# Allegro board ADALM-PLUTO Layout.brd (continued)
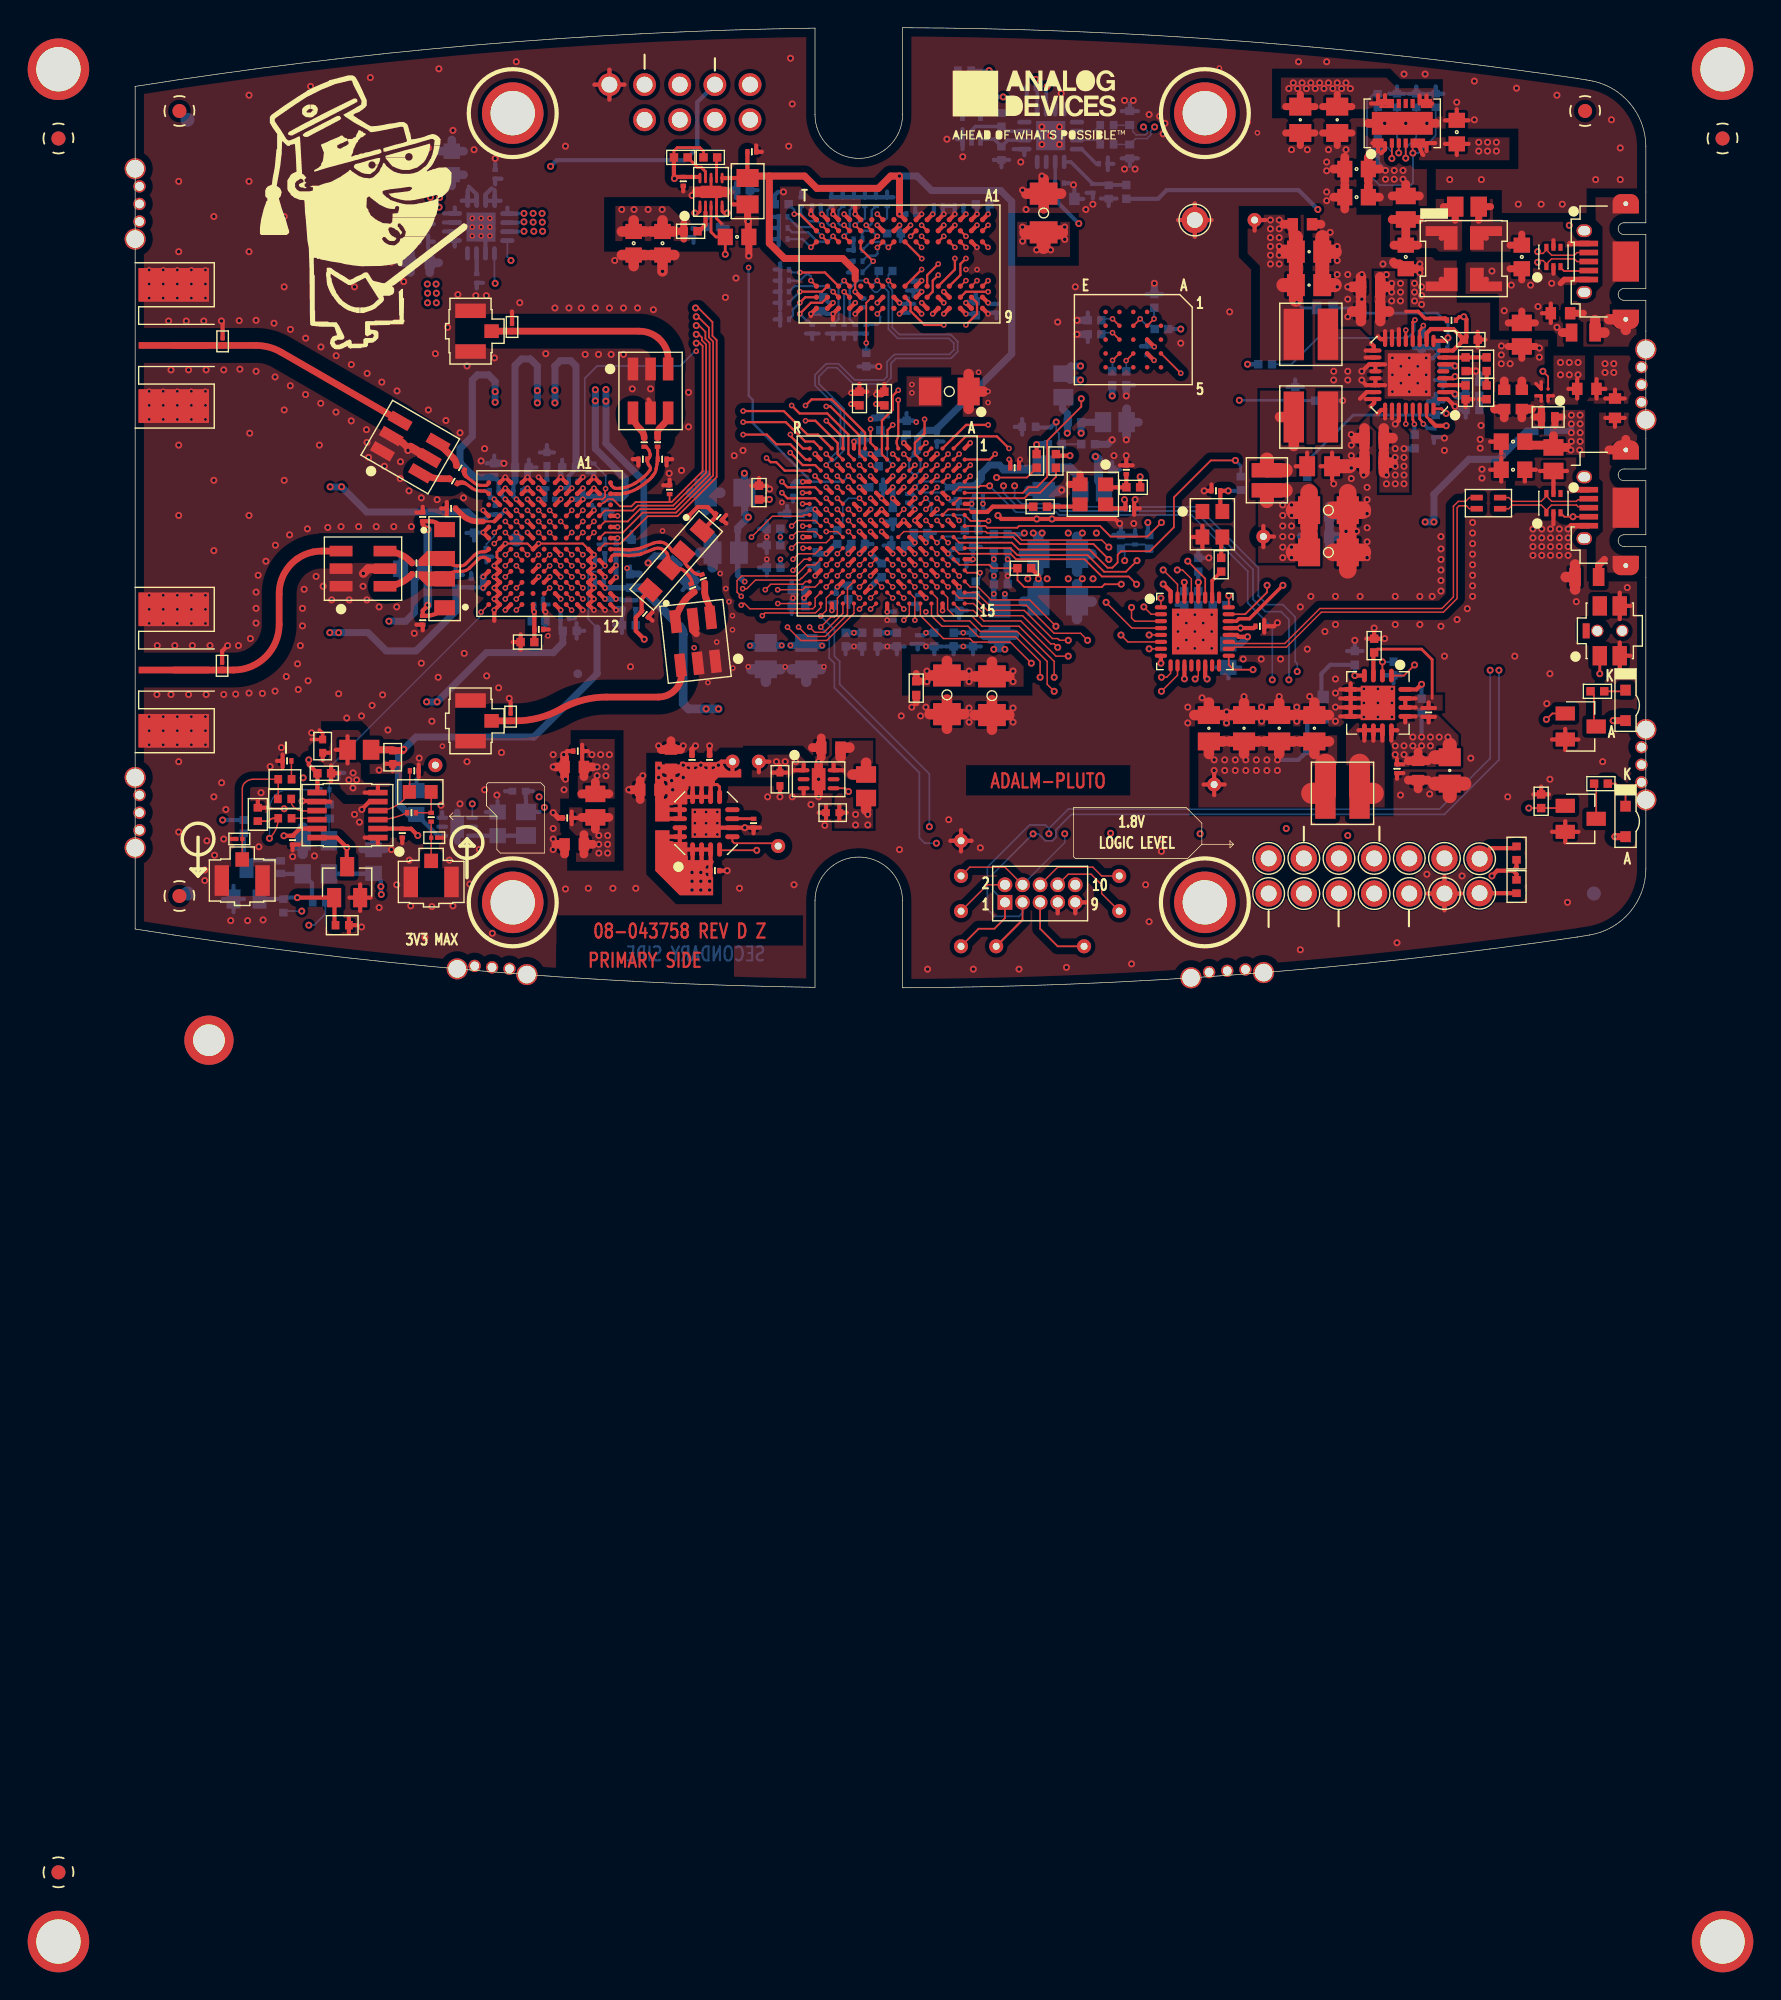
[diagram p0: board, top side]
## Placement (name value [footprint] x y rotation side) (continued)
NOREF  -  [unnamed]  5.33 -3.79 0 top
NOREF#2  -  [#2]  -5.54 -68.88 0 top
NOREF#3  -  [unnamed#5]  27.28 6.17 180 top
NOREF#4  -  [unnamed#6]  0 59.15 0 top
NOREF#5  -  [unnamed#7]  78.9 1.23 0 top
NOREF#6  -  [#2]  -1.27 15.18 0 top
NOREF#7  -  [unnamed#5]  114.68 -68.88 180 top
NOREF#8  -  [#2]  -8.54 69.34 0 top
NOREF#9  -  [#2]  -1.27 -56.7 0 top
NOREF#10  -  [#2]  -1.27 -12.73 0 top
NOREF#11  -  [unnamed#7]  108.82 44.83 0 top
NOREF#12  -  [unnamed#6]  81.52 1.1 0 top
NOREF#13  -  [unnamed#6]  28.3 0.95 0 top
NOREF#14  -  [unnamed#8]  104.75 63.32 0 top
NOREF#15  -  [#2]  -1.27 -17.81 0 top
NOREF#16  -  [unnamed#8]  -5.54 -63.88 0 top
NOREF#17  -  [unnamed#6]  23.27 1.36 0 top
NOREF#18  -  [unnamed#7]  0.32 55.34 0 top
NOREF#19  -  [unnamed#7]  0.32 56.61 0 top
NOREF#20  -  [#2]  109.14 -63.28 0 top
NOREF#21  -  [unnamed#6]  0 54.07 0 top
NOREF#22  -  [unnamed#7]  80.21 1.32 0 top
NOREF#23  -  [#2]  -88.72 16.63 0 top
NOREF#24  -  [unnamed#8]  -5.54 61.34 0 top
NOREF#25  -  [#2]  -8.54 -71.88 0 top
NOREF#26  -  [unnamed#7]  0.32 11.37 0 top
NOREF#27  -  [#2]  -8.54 -71.88 0 top
NOREF#28  -  [#2]  226.68 44.12 0 top
NOREF#29  -  [#2]  115.99 67.29 0 top
NOREF#30  -  [#2]  28.04 49.35 0 top
NOREF#31  -  [#2]  -99.72 -146.23 0 top
NOREF#32  -  [unnamed#6]  109.14 18.65 0 top
NOREF#33  -  [#2]  11.73 -2.58 0 top
NOREF#34  -  [#2]  -37.76 235.07 0 top
NOREF#35  -  [unnamed#5]  27.28 63.17 180 top
NOREF#36  -  [unnamed#7]  77.59 1.13 0 top
NOREF#37  -  [unnamed#7]  108.82 17.38 0 top
NOREF#38  -  [#2]  -1.27 54.07 0 top
NOREF#39  -  [#2]  10.89 57.99 0 top
NOREF#40  -  [unnamed#7]  108.82 16.11 0 top
NOREF#41  -  [#2]  117.68 -71.88 0 top
NOREF#42  -  [unnamed#5]  77.28 6.17 180 top
NOREF#43  -  [unnamed#6]  109.14 13.57 0 top
NOREF#44  -  [unnamed#6]  76.28 0.72 0 top
NOREF#45  -  [unnamed#8]  3.2 6.63 0 top
NOREF#46  -  [unnamed#5]  77.28 63.17 180 top
NOREF#47  -  [#2]  -5.54 66.34 0 top
NOREF#48  -  [#2]  115.67 61.49 0 top
NOREF#49  -  [unnamed#8]  114.68 61.34 0 top
NOREF#50  -  [#2]  -1.27 10.1 0 top
NOREF#51  -  [unnamed#6]  109.14 41.02 0 top
NOREF#52  -  [unnamed#7]  0.32 57.88 0 top
NOREF#53  -  [unnamed#7]  25.79 1.48 0 top
NOREF#54  -  [unnamed#5]  -5.54 66.34 180 top
NOREF#55  -  [#2]  -99.72 -146.23 0 top
NOREF#56  -  [#2]  -99.72 -146.23 0 top
NOREF#57  -  [#2]  114.68 -68.88 0 top
NOREF#58  -  [#2]  111.68 -71.88 0 top
NOREF#59  -  [#2]  -1.27 59.15 0 top
NOREF#60  -  [#2]  117.68 -71.88 90 top
NOREF#61  -  [unnamed#7]  27.04 1.37 0 top
NOREF#62  -  [#2]  -2.54 -71.88 0 top
NOREF#63  -  [#2]  -8.54 69.34 0 top
NOREF#64  -  [unnamed#7]  24.53 1.58 0 top
NOREF#65  -  [#2]  0 -67.64 0 top
NOREF#66  -  [#2]  394.55 166.11 0 top
NOREF#67  -  [#2]  -5.54 -68.88 0 top
NOREF#68  -  [unnamed#6]  109.14 46.1 0 top
NOREF#69  -  [unnamed#5]  -5.54 -68.88 180 top
NOREF#70  -  [unnamed#5]  114.68 66.34 180 top
NOREF#71  -  [#2]  -1.27 -61.78 0 top
NOREF#72  -  [unnamed#6]  0 10.1 0 top
NOREF#73  -  [unnamed#7]  0.32 12.64 0 top
NOREF#74  -  [unnamed#8]  3.2 63.32 0 top
NOREF#75  -  [#2]  95.96 -2.55 0 top
NOREF#76  -  [unnamed#7]  108.82 14.84 0 top
NOREF#77  -  [unnamed#6]  0 15.18 0 top
NOREF#78  -  [#2]  64.97 63.73 0 top
NOREF#79  -  [unnamed#7]  0.32 13.91 0 top
NOREF#80  -  [unnamed#7]  108.82 42.29 0 top
NOREF#81  -  [unnamed#7]  108.82 43.56 0 top
NOREF#82  -  [unnamed#8]  3.78 62.68 180 bottom
NOREF#83  -  [unnamed#8]  -5.54 61.34 180 bottom
NOREF#84  -  [unnamed#8]  114.68 61.34 180 bottom
NOREF#85  -  [#2]  1.5 45.54 180 bottom
NOREF#86  -  [#2]  33.93 47.95 180 bottom
NOREF#87  -  [unnamed#8]  3.78 6.8 180 bottom
NOREF#88  -  [#2]  14.58 48.08 180 bottom
NOREF#89  -  [unnamed#8]  105.38 6.8 180 bottom
NOREF#90  -  [unnamed#8]  -5.54 -63.88 180 bottom
P1  FTSH-105-01-L-D  [CNHDR2X5H219]  62.84 6.17 0 top
P2  47590-0001  [CNMOLEX47590-0001]  109.14 34.67 180 top
P3  47590-0001  [CNMOLEX47590-0001]  109.14 52.45 180 top
PG_1P3V  TESTPAD  [TPSMC40]  46.45 10.23 180 bottom
Q1  BSS138LT1G  [SOT23]  104.43 18.87 270 top
Q2  BSS138LT1G  [SOT23]  8.05 7.53 180 bottom
Q3  BSS138LT1G  [SOT23]  15.32 7.63 0 top
Q4  BSS138LT1G  [SOT23]  104.43 12.2 270 top
R1  10  [R0201]  93.44 19.89 270 top
R2  27.4K  [R0402]  88.11 23.82 270 bottom
R3  46.4K  [R0402]  90.9 23.06 90 bottom
R4  17.8K  [R0603]  85.82 20.27 270 bottom
R5  1K  [R0402#2]  13.31 6.17 180 bottom
R6  10K  [R0402]  92.94 20.39 90 bottom
R7  1K  [R0402]  84.68 17.6 270 bottom
R8  10K  [R0402]  72.11 36.14 180 top
R9  10K  [R0201]  71.6 37.41 90 top
R10  0  [R0201]  19.96 12.65 180 top
R11  4.7K  [R0402]  66.44 39.25 0 bottom
R12  39  [R0402]  65.38 34.74 180 top
R13  20K  [R0402]  73.25 32.2 270 bottom
R14  240  [R0402]  74.14 47.57 180 bottom
R15  0  [R0402]  71.22 32.2 90 bottom
R16  120  [R0201]  51.92 56.77 90 bottom
R17  120  [R0201]  46.82 54.88 180 bottom
R18  120  [R0201]  46.91 50.27 180 bottom
R19  120  [R0201]  48.92 47.57 270 bottom
R20  120  [R0201]  46.92 48.27 180 bottom
R21  120  [R0201]  52.02 47.57 270 bottom
R22  120  [R0201]  46.92 51.87 180 bottom
R23  120  [R0201]  51.12 56.77 90 bottom
R24  120  [R0201]  50.32 56.77 90 bottom
R25  120  [R0201]  48.12 56.77 90 bottom
R26  120  [R0201]  46.82 55.68 180 bottom
R27  120  [R0201]  46.91 49.47 180 bottom
R28  120  [R0201]  50.42 47.57 270 bottom
R29  120  [R0201]  46.92 51.07 180 bottom
R30  120  [R0201]  51.22 47.57 270 bottom
R31  120  [R0201]  52.22 54.07 180 bottom
R32  120  [R0201]  52.22 52.47 180 bottom
R33  120  [R0201]  54.32 56.77 90 bottom
R34  120  [R0201]  46.82 54.07 180 bottom
R35  120  [R0201]  52.72 56.77 90 bottom
R36  120  [R0201]  52.22 51.67 180 bottom
R37  120  [R0201]  52.22 53.27 180 bottom
R38  120  [R0201]  52.82 47.57 270 bottom
R39  120  [R0201]  53.52 56.77 90 bottom
R40  240  [R0402]  53.83 40.75 90 bottom
R41  240  [R0402]  53.73 38.15 90 bottom
R42  1K  [R0402]  46.71 56.59 180 bottom
R43  0  [R0402]  41.76 54.94 180 bottom
R44  0  [R0402]  40.13 54.63 0 top
R45  0  [R0402]  60.43 33.05 180 bottom
R46  4.7K  [R0402]  50.73 32.55 270 bottom
R47  4.7K  [R0402]  65.12 38.05 90 top
R48  470  [R0402]  105.64 21.41 180 top
R49  14.3K  [R0201]  22.83 34.62 0 top
R50  100K  [R0402]  81.63 45.03 180 bottom
R51  1  [R0201]  29.74 36.38 270 bottom
R52  1  [R0201]  36.15 27.67 270 bottom
R53  27.4K  [R0402]  96.11 43 90 top
R54  4.7K  [R0402]  94.46 44.4 270 bottom
R55  1K  [R0805]  104.87 29.66 180 top
R56  10  [R0201]  95.1 48.21 0 top
R57  20K  [R0402#2]  79.87 36.43 90 bottom
R58  1K  [R0805]  104.62 47.32 180 top
R59  100K  [R0402]  92.43 39.44 270 bottom
R60  10K  [R0402]  96.62 42.75 0 bottom
R61  10K  [R0402]  97.64 43 90 top
R62  17.8K  [R0603#2]  85.95 49.1 0 bottom
R63  14.3K  [R0201]  94.46 46.17 180 bottom
R64  46.4K  [R0402]  84.68 36.4 270 bottom
R65  23.2K  [R0402]  93.95 41.86 270 bottom
R66  20K  [R0402#2]  64.57 40.51 0 bottom
R67  1K  [R0402#3]  10.51 8.71 90 bottom
R68  2.2K  [R0402#2]  99.79 7.31 270.1 top
R69  0  [R0201]  36.68 38.17 0.1 top
R70  27.4K  [R0402#2]  89.76 60.91 90 bottom
R71  100  [R0402#2]  89.76 64.08 90 bottom
R72  8.06K  [R0402#2]  93.95 64.08 90 bottom
R73  470  [R0402#2]  92.56 64.08 90 bottom
R74  10K  [R0402]  64.23 30.3 180 top
R75  10K  [R0402]  101.57 13.47 90 top
R76  20K  [R0402]  60.73 28.84 90 bottom
R77  8.06K  [R0402]  78.33 27.63 180 bottom
R78  470  [R0402#2]  91.16 64.08 270 bottom
R79  39  [R0402#2]  70.2 60.91 180 bottom
R80  4.7K  [R0402]  71.6 57.48 90 bottom
R81  39  [R0402#2]  70.2 62.3 180 bottom
R82  39  [R0402]  78.46 30.55 90 top
R83  20K  [R0402]  62.53 32.75 180 bottom
R84  20K  [R0402]  66.52 38.05 90 top
R85  4.7K  [R0402]  13.66 15.49 180 top
R86  240  [R0402#2]  10.82 12.24 180 top
R87  470  [R0402]  105.89 14.74 180 top
R88  24.9K  [R0402#2]  101.57 40.21 180 bottom
R89  4.7K  [R0402#2]  85.71 42.4 180 bottom
R90  4.7K  [R0402#2]  83.81 42.91 90 bottom
R91  4.7K  [R0402]  68.84 39.25 0 bottom
R92  10K  [R0402#2]  70.33 57.48 270 bottom
R93  10K  [R0402#2]  62.58 60.27 270 bottom
R94  10K  [R0402#2]  59.92 64.72 180 bottom
R95  39  [R0402#2]  59.92 66.24 0 bottom
R96  49.9  [R0603H18]  20.6 14.15 180 top
R97  2.2K  [R0402#2]  99.79 9.73 90 top
R98  75  [R0402#2]  10.79 13.64 180 top
R99  240  [R0402#2]  8.86 12.52 90 top
R100  100  [R0402#2]  10.82 15.06 180 top
R101  2.2K  [R0402#2]  7.85 11.63 270 bottom
R102  39  [R0402#2]  10.72 5.92 270 bottom
R103  2.2K  [R0402#2]  14.96 4.52 0 top
R104  0  [R0201]  38.07 38.17 180 top
R107  10K  [R0402#2]  62.58 62.68 270 bottom
R116  20K  [R0402]  73.63 49.6 90 bottom
R119  20K  [R0402]  69.31 48.21 180 bottom
R120  20K  [R0402]  69.31 47.19 180 bottom
R121  20K  [R0402]  71.6 44.02 270 bottom
R122  20K  [R0402]  70.58 44.02 270 bottom
R142  80.6  [R0402]  54.22 51.77 180 bottom
R165  240  [R0402]  52.82 45.36 270 bottom
R221  10K  [R0402]  39.42 59.97 0 top
R222  10K  [R0402]  41.55 59.97 0 top
RX  TESTPAD  [TPSMC40]  59.66 2.99 180 bottom
RX1A  JCCEM001  [CNSMARAL687W375H171]  2.54 46.39 180 top
RX2A  U.FL-R-SMT-1(01)  [CNHIROSE-U_FL-R-SMT-1]  24.23 47.42 90 top
S1  PTS840 GKP SMTR LFS  [SWSML140W138H55]  106.53 25.78 0 top
T1  TCM1-63AX+  [TSML150W160H160]  19.88 39.05 60 top
T2  TCM1-63AX+  [TSML150W160H160]  37.23 43.1 0 top
T3  TCM1-63AX+  [TSML150W160H160]  40.49 25.02 186.3 top
T5  TCM1-63AX+  [TSML150W160H160]  16.46 30.27 90 top
TCK  TESTPAD  [TPSMC40]  59.66 8.07 180 bottom
TDI  TESTPAD  [TPSMC40]  71.09 5.53 180 bottom
TDO  TESTPAD  [TPSMC40]  71.09 8.07 180 bottom
TMS  TESTPAD  [TPSMC40]  59.66 5.53 180 bottom
TX  TESTPAD  [TPSMC40]  62.2 2.99 180 bottom
TX1A  JCCEM001  [CNSMARAL687W375H171]  2.54 22.95 180 top
TX2A  U.FL-R-SMT-1(01)  [CNHIROSE-U_FL-R-SMT-1]  24.23 19.28 90 top
U1  ADP1754ACPZ-1.3  [QFN16_4X4_PAD2_1X2_1]  24.99 54.94 269.8 bottom
U2  MT41K256M16TW-107 IT:P  [FBGA96_C]  55.22 52.27 180 top
U3  ADP2164ACPZ  [QFN16_4X4_PAD2_5X2_5]  89.78 20.57 180 top
U4  XC7Z010-1CLG225C4334  [CSPBGA225]  54.33 33.35 180 top
U5  AD9363ABCZ  [BGA144-2]  29.94 32.08 180 top
U6  ADP2114ACPZ  [QFN32_5X5_PAD3_1X3_1]  92.05 44.27 90 top
U7  ADP1754ACPZ-1.3  [QFN16_4X4_PAD2_1X2_1]  41.25 11.88 0 top
U8  LTC4415EDHC#PBF  [DFN16_5X3_PAD4_4X1_65]  91.54 62.43 0 top
U9  FT230XQ-R  [QFN16_4X4_PAD2_1X2_1]  66.14 61.54 0 bottom
U10  74LVC1G126GW  [SOT353]  60.42 62.18 180 bottom
U11  ADM7160ACPZN3.3  [DFN6_2X2_PAD1_6X1]  23.26 11.63 90 bottom
U12  ADM7160ACPZN1.8  [DFN6_2X2_PAD1_6X1]  49.38 15.06 270 top
U13  MT25QU256ABA8E12-1SIT  [TBGA24]  72.11 46.81 180 top
U14  TPS51206DSQR  [SON10_2X2_PAD1_5X0_9]  41.6 57.48 0 top
U15  USB3320C-EZK  [QFN32_5X5_PAD3_3X3_3]  76.55 25.73 270 top
U16  ADP198ACBZ-11  [WLCSP4-2]  101.83 43 90 top
U17  LTC6957HMS-3#PBF  [MSOP12]  15.34 12.47 90 top
UNK1P0V  TESTPAD  [TPSMC40]  77.95 14.68 180 bottom
UNK1P3V_A  TESTPAD  [TPSMC40]  43.15 16.33 180 bottom
UNK1P3V_B  TESTPAD  [TPSMC40]  21.69 16.08 180 bottom
UNK1P8V_CLK  TESTPAD  [TPSMC40]  45.06 16.33 180 bottom
UNK1V8  TESTPAD  [TPSMC40]  81.51 32.59 180 bottom
UNK1V8#2  WP45  [TPSMC40#3]  94.59 9.34 180 bottom
UNK1V35  TESTPAD  [TPSMC40]  80.87 55.45 180 bottom
VDD_GPO  613 001 111 21  [CNHDR1X1H344]  41.88 65.22 180 bottom
Y1  24MEGHZ  [YSML98W79H35]  77.82 33.47 270 top
Y2  33.333MEGHZ  [YSML98W79H35]  69.19 35.63 180 top
Y3  40MEGHz  [YSML126W98H47]  13.05 9.42 90 bottom

## Library data of the parts
AD9361_CLKOUT JTAG_BOOT PG_1P3V RX TCK TDI TDO TMS TX UNK1P0V UNK1P3V_A UNK1P3V_B UNK1P8V_CLK UNK1V8 UNK1V35 = NCTESTPAD: Tolerance: N/A; User Part Number: UPN; alternate symbols: (); part number: NCTESTPAD_SM-TESTPAD,E019801,TPSMC40; tolerance: N/A
ADC DAC1 DAC2 GPO0-GPO3 VDD_GPO = CN1P: User Part Number: UPN; Tolerance: N/A; alternate symbols: (); part number: CN1P_TH-613 001 111 21,E016125,CNHDR1X1H344; tolerance: N/A
C1 C5-C8 C10 C16 C18 C25 C33 C46-C48 C52 C60 C91 C92 C94-C98 C117 C118 C122 C161 C163 C164 C186 C188-C190 C201-C203 C206 C208 = CAP: Tolerance: 20; User Part Number: UPN; part number: CAP_SM-0.1UF,16V,20,E017331,C0201; tolerance: 20
C2 C12 C23 C24 C26 C27 C39-C44 C53 C61-C63 C80 C84 C99 C102 C119 C120 C162 C179 C180 C187 C191 C205 = CAP: Tolerance: 10; User Part Number: UPN; part number: CAP_SM-0.01UF,10V,10,E007201,C0201; tolerance: 10
C3 C4 C14 C15 C22 C32 C79 C82 C83 C121 C151-C153 C155 C167 = CAP: Tolerance: 20; User Part Number: UPN; alternate symbols: C0603L_ALT; part number: CAP_SM-10UF,6.3V,20,E007143,C0603; tolerance: 20
C9 C135-C138 C173 C195 C209 = CAP: Tolerance: 20; User Part Number: UPN; alternate symbols: C0603L_ALT; part number: CAP_SM-10UF,10V,20,E022682,C0603; tolerance: 20
C11 C17 C19-C21 C65 C77 C85 C103 C104 C145 C148 C184 C185 = CAP: Tolerance: 20; User Part Number: UPN; alternate symbols: (C0805L); part number: CAP_SM-47UF,6.3V,20,E008247,C0805H60; tolerance: 20
C13 = CAP: Tolerance: 20; User Part Number: UPN; alternate symbols: C0402_ALT; part number: CAP_SM-0.1UF,16V,20,E017331,C0201; tolerance: 20
C28-C31 C34-C38 C45 C127 C140 C141 C154 C168 C192 = CAP: Tolerance: 10; User Part Number: UPN; alternate symbols: C0402_ALT; part number: CAP_SM-1UF,16V,10,E025259,C0402H22; tolerance: 10
C49 C54 C64 C71 C76 C100 C149 C150 C158 = CAP: Tolerance: 20; User Part Number: UPN; part number: CAP_SM-100UF,6.3V,20,E016591,C1206H71; tolerance: 20
C50 C55 C66 C67 C73 C78 C86 C87 C101 C105-C108 C159 C174 = CAP: Tolerance: 10; User Part Number: UPN; alternate symbols: C0402_ALT; part number: CAP_SM-4.7UF,6.3V,10,E020089,C0402; tolerance: 10
C51 C56-C59 C68-C70 C72 C74 C75 C88-C90 C93 C109-C116 C160 C178 = CAP: Tolerance: 10; User Part Number: UPN; alternate symbols: C0402_ALT; part number: CAP_SM-0.47UF,10V,10,E007611,C0402; tolerance: 10
C81 = CAP: Tolerance: 10; User Part Number: UPN; part number: CAP_SM-0.22UF,25V,10,E039129,C0805H53; tolerance: 10
C123 C169 C170 C199 C200 = CAP: Tolerance: 10; User Part Number: UPN; alternate symbols: (); part number: CAP_SM-1UF,16V,10,E025259,C0402H22; tolerance: 10
C124 C130-C134 C156 C157 C175 C176 = CAP: Tolerance: 5; User Part Number: UPN; part number: CAP_SM-18PF,50V,5,E028398,C0201; tolerance: 5
C125 C128 C129 C166 C193 C194 C207 = CAP: Tolerance: 10; User Part Number: UPN; alternate symbols: (); part number: CAP_SM-0.001UF,25V,10,E006762,C0201; tolerance: 10
C126 = CAP: Tolerance: 10; User Part Number: UPN; alternate symbols: C0201_ALT; part number: CAP_SM-1UF,16V,10,E025259,C0402H22; tolerance: 10
C139 = CAP: Tolerance: 10; User Part Number: UPN; alternate symbols: C0402_ALT; part number: CAP_SM-0.047UF,25V,10,E025704,C0402; tolerance: 10
C142 = CAP: Tolerance: 1; User Part Number: UPN; alternate symbols: C0402_ALT; part number: CAP_SM-150PF,50V,1,E021911,C0402; tolerance: 1
C143 = CAP: Tolerance: 5; User Part Number: UPN; alternate symbols: C0402_ALT; part number: CAP_SM-180PF,50V,5,E033222,C0402; tolerance: 5
C144 = CAP: Tolerance: 10; User Part Number: UPN; alternate symbols: C0402_ALT; part number: CAP_SM-0.0033UF,50V,10,E007461,C0402; tolerance: 10
C146 = CAP: User Part Number: UPN; Tolerance: 10; alternate symbols: (); part number: CAP_SM-22UF,10V,10,E034225,C0805; tolerance: 10
C147 = CAP: Tolerance: 5; User Part Number: UPN; alternate symbols: C0402_ALT; part number: CAP_SM-5.6NF,50V,5,E033450,C0402H22; tolerance: 5
C165 = CAP: Tolerance: 10; User Part Number: UPN; alternate symbols: (); part number: CAP_SM-2.2UF,50V,10,E024995,C0603; tolerance: 10
C171 C172 C182 C198 C210 C215 = CAP: Tolerance: 10; User Part Number: UPN; alternate symbols: C0603L_ALT; part number: CAP_SM-2.2UF,50V,10,E024995,C0603; tolerance: 10
C177 C181 = CAP: User Part Number: UPN; Tolerance: 10; alternate symbols: (C0603L); part number: CAP_SM-0.1UF,100V,10,E033337,C0603; tolerance: 10
C183 C211-C214 = CAP: Tolerance: 10; User Part Number: UPN; alternate symbols: (C0603L); part number: CAP_SM-0.1UF,100V,10,E033337,C0603; tolerance: 10
C196 C197 C204 = CAP: User Part Number: UPN; Tolerance: 5; alternate symbols: (); part number: CAP_SM-47PF,50V,5,E011821,C0402; tolerance: 5
CLK_IN CLK_OUT RX2A TX2A = CNBNC3P: Tolerance: N/A; User Part Number: UPN; alternate symbols: (); part number: CNBNC3P_SM-U.FL-R-SMT-1(01),E022198,CNHIROSE-U_FL-R-SMT-1; tolerance: N/A
D1 D2 = DIOTVS6P_V2: User Part Number: UPN; Tolerance: N/A; alternate symbols: (); part number: DIOTVS6P_V2_SM-SP3004-04XTG,6V,N/A,E026047,SOT-563; tolerance: N/A
D3 D4 D7-D10 = DIOZNR_V2: User Part Number: UPN; Tolerance: N/A; alternate symbols: (); part number: DIOZNR_V2_SM-ESD8472MUT5G,N/A,N/A,E034844,DFN2_0_62X0_32; tolerance: N/A
DS1 DS2 = DIOLED: User Part Number: UPN; Tolerance: N/A; alternate symbols: LED0804_RA; part number: DIOLED_SM-LTST-S220TBKT,3.3V,N/A,E026167,LED0804; tolerance: N/A
E1 E2 E4-E8 = FERRITE: User Part Number: UPN; Tolerance: 25; alternate symbols: (); part number: FERRITE_SM-100OHM,25,E012241,L0805; tolerance: 25
E3 E9-E11 = FERRITE: User Part Number: UPN; Tolerance: 25; alternate symbols: (); part number: FERRITE_SM-600OHM AT 100MEGHZ,25,E022193,L0805; tolerance: 25
F1 = FSFUSE: User Part Number: UPN; Tolerance: N/A; alternate symbols: (); part number: FSFUSE_SM-0.5A,6V,E023876,F0402H20; tolerance: N/A
GND GND#3 GND#4 UNK1V8#2 = -: Tolerance: N/A; User Part Number: UPN
GND#2 = -: User Part Number: UPN; Tolerance: N/A
L1 L7-L9 = IND: Tolerance: 5; User Part Number: UPN; part number: IND_SM-330NH,5,E006599,L0805-F; tolerance: 5
L2 L3 = IND: User Part Number: UPN; Tolerance: 20; alternate symbols: (); part number: IND_SM-1.5UH,20,E017267,LSMSQ157H83; tolerance: 20
L4 = IND: User Part Number: UPN; Tolerance: 20; alternate symbols: (); part number: IND_SM-1UH,20,E015845,LSMSQ157H83; tolerance: 20
L5 = IND: User Part Number: UPN; Tolerance: 20; alternate symbols: (); part number: IND_SM-270NH,20,E027278,LSMSQ79H41; tolerance: 20
L6 = CHOKE4P: User Part Number: UPN; Tolerance: 25; alternate symbols: (); part number: CHOKE4P_SM-90OHMS AT 100MEGHZ,25,E027226,L0805-4PH39; tolerance: 25
L7N L9N L10P L12N L24N MIO0 MIO09-MIO11 MIO48 MIO49 MIO53 = NCWP: Tolerance: N/A; User Part Number: UPN; alternate symbols: (); part number: NCWP_TH-WP45,E002516,TPC75D45; tolerance: N/A
L10 = CHOKE4P: User Part Number: UPN; Tolerance: N/A; alternate symbols: (); part number: CHOKE4P_SM-800OHMS AT 100MEGHZ,N/A,E027130,L2020_A; tolerance: N/A
P1 = CN10P_ODD_EVEN: Tolerance: N/A; User Part Number: UPN; part number: CN10P_ODD_EVEN_TH-FTSH-105-01-L-D,E018623,CNHDR2X5H219; tolerance: N/A
P2 P3 = CN5P_3SHLD: User Part Number: UPN; Tolerance: N/A; alternate symbols: (); part number: CN5P_3SHLD_SM-47590-0001,E015753,CNMOLEX47590-0001; tolerance: N/A
Q1-Q4 = TRANNMOSFET_V8: User Part Number: UPN; Tolerance: N/A; part number: TRANNMOSFET_V8_SM-BSS138LT1G,E018770,SOT23; tolerance: N/A
R1 R56 = RES: User Part Number: UPN; Tolerance: 1; part number: RES_SM-10,E013982,1/20W,1,R0201; tolerance: 1
R2 R53 = RES: Tolerance: 1; User Part Number: UPN; alternate symbols: R0402_ALT; part number: RES_SM-27.4K,E021819,1/10W,1,R0402; tolerance: 1
R3 R64 = RES: Tolerance: 1; User Part Number: UPN; alternate symbols: R0402_ALT; part number: RES_SM-46.4K,E011115,1/16W,1,R0402; tolerance: 1
R4 = RES: Tolerance: 1; User Part Number: UPN; alternate symbols: R0603_A; part number: RES_SM-17.8K,E011033,1/10W,1,R0603; tolerance: 1
R5 = RES: Tolerance: 1; User Part Number: UPN; alternate symbols: (R0402L,R0402L_ALT); part number: RES_SM-1K,E003763,1/10W,1,R0402; tolerance: 1
R6 R8 R60 R61 R74 R75 R92-R94 R107 R221 R222 = RES: Tolerance: 1; User Part Number: UPN; alternate symbols: R0402_ALT; part number: RES_SM-10K,E003751,1/10W,1,R0402; tolerance: 1
R7 R42 = RES: Tolerance: 1; User Part Number: UPN; alternate symbols: R0402_ALT; part number: RES_SM-1K,E003763,1/10W,1,R0402; tolerance: 1
R9 = RES: User Part Number: UPN; Tolerance: 1; part number: RES_SM-10K,E004011,1/20W,1,R0201; tolerance: 1
R10 R69 R104 = RES: User Part Number: UPN; Tolerance: N/A; alternate symbols: (); part number: RES_SM-0,E004015,1/20W,0,R0201; tolerance: N/A
R11 R46 R47 R54 R80 R85 R89 R91 = RES: Tolerance: 1; User Part Number: UPN; alternate symbols: R0402_ALT; part number: RES_SM-4.7K,E008190,1/10W,1,R0402; tolerance: 1
R12 R82 = RES: Tolerance: 5; User Part Number: UPN; alternate symbols: R0402_ALT; part number: RES_SM-39,E003441,1/16W,5,R0402; tolerance: 5
R13 R57 R76 R83 R84 R116 R119-R122 = RES: Tolerance: 1; User Part Number: UPN; alternate symbols: R0402_ALT; part number: RES_SM-20K,E003791,1/16W,1,R0402; tolerance: 1
R14 R40 R41 R86 R99 R165 = RES: Tolerance: 1; User Part Number: UPN; alternate symbols: R0402_ALT; part number: RES_SM-240,E010877,1/16W,1,R0402; tolerance: 1
R15 R43-R45 = RES: Tolerance: 1; User Part Number: UPN; alternate symbols: R0402_ALT; part number: RES_SM-0,E010661,1/16W,1,R0402; tolerance: 1
R16-R39 = RES: User Part Number: UPN; Tolerance: 1; part number: RES_SM-120,E011549,1/20W,1,R0201; tolerance: 1
R48 R87 = RES: Tolerance: 5; User Part Number: UPN; alternate symbols: R0402_ALT; part number: RES_SM-470,E017765,1/10W,5,R0402; tolerance: 5
R49 R63 = RES: User Part Number: UPN; Tolerance: 1; part number: RES_SM-14.3K,E014068,1/20W,1,R0201; tolerance: 1
R50 R59 = RES: Tolerance: 1; User Part Number: UPN; alternate symbols: R0402_ALT; part number: RES_SM-100K,E003796,1/16W,1,R0402; tolerance: 1
R51 R52 = RES: User Part Number: UPN; part number: RES_SM-1,E014056,1/20W,1,R0201
R55 R58 = RES: User Part Number: UPN; Tolerance: 1; alternate symbols: (R0805L); part number: RES_SM-1K,E023448,1/3W,1,R0805; tolerance: 1
R62 = RES: Tolerance: 1; User Part Number: UPN; alternate symbols: R0603L; part number: RES_SM-17.8K,E011033,1/10W,1,R0603; tolerance: 1
R65 = RES: Tolerance: 1; User Part Number: UPN; alternate symbols: R0402_ALT; part number: RES_SM-23.2K,E036030,1/10W,1,R0402; tolerance: 1
R66 = RES: Tolerance: 1; User Part Number: UPN; alternate symbols: (R0402L,R0402L_ALT); part number: RES_SM-20K,E003791,1/16W,1,R0402; tolerance: 1
R67 = RES: User Part Number: UPN; Tolerance: 1; alternate symbols: (R0402L,R0402L_ALT); part number: RES_SM-1K,E003763,1/10W,1,R0402; tolerance: 1
R68 R97 R101 R103 = RES: Tolerance: 1; User Part Number: UPN; alternate symbols: R0402_ALT; part number: RES_SM-2.2K,E041039,1/16W,1,R0402; tolerance: 1
R70 = RES: Tolerance: 1; User Part Number: UPN; alternate symbols: R0402L_ALT; part number: RES_SM-27.4K,E021819,1/10W,1,R0402; tolerance: 1
R71 = RES: Tolerance: 1; User Part Number: UPN; alternate symbols: R0402L_ALT; part number: RES_SM-100,E016329,1/10W,1,R0402; tolerance: 1
R72 = RES: Tolerance: 1; User Part Number: UPN; alternate symbols: R0402L_ALT; part number: RES_SM-8.06K,E021385,1/10W,1,R0402; tolerance: 1
R73 R78 = RES: Tolerance: 1; User Part Number: UPN; alternate symbols: R0402L_ALT; part number: RES_SM-470,E014032,1/16W,1,R0402; tolerance: 1
R77 = RES: Tolerance: 1; User Part Number: UPN; alternate symbols: R0402_ALT; part number: RES_SM-8.06K,E021385,1/10W,1,R0402; tolerance: 1
R79 R81 R95 R102 = RES: Tolerance: 5; User Part Number: UPN; alternate symbols: (R0402L); part number: RES_SM-39,E003441,1/16W,5,R0402; tolerance: 5
R88 = RES: Tolerance: 1; User Part Number: UPN; alternate symbols: (R0402L); part number: RES_SM-24.9K,E007443,1/16W,1,R0402; tolerance: 1
R90 = RES: Tolerance: 1; User Part Number: UPN; alternate symbols: (R0402L,R0402L_ALT); part number: RES_SM-4.7K,E008190,1/10W,1,R0402; tolerance: 1
R96 = RES: Tolerance: 0.1; User Part Number: UPN; alternate symbols: (); part number: RES_SM-49.9,E030840,1/2W,0.1,R0603H18; tolerance: 0.1
R98 = RES: Tolerance: 1; User Part Number: UPN; alternate symbols: (R0402L); part number: RES_SM-75,E003748,1/16W,1,R0402; tolerance: 1
R100 = RES: Tolerance: 1; User Part Number: UPN; alternate symbols: (R0402L); part number: RES_SM-100,E016329,1/10W,1,R0402; tolerance: 1
R142 = RES: Tolerance: 0.1; User Part Number: UPN; alternate symbols: R0402_ALT; part number: RES_SM-80.6,E022369,1/16W,0.1,R0402; tolerance: 0.1
RX1A TX1A = CNBNC5P: User Part Number: UPN; Tolerance: N/A; alternate symbols: (); part number: CNBNC5P_SM-JCCEM001,E027545,CNSMARAL687W375H171; tolerance: N/A
S1 = SWSPST5P_V2: User Part Number: UPN; Tolerance: N/A; alternate symbols: (); part number: SWSPST5P_V2_SM-PTS840 GKP SMTR LFS,E024294,SWSML140W138H55; tolerance: N/A
T1-T3 T5 = XFMRTCMXXXX_V3: Tolerance: N/A; User Part Number: UPN; part number: XFMRTCMXXXX_V3_SM-TCM1-63AX+,E018203,TSML150W160H160; tolerance: N/A
U1 U7 = ADP1754: Tolerance: N/A; User Part Number: UPN; alternate symbols: (); part number: ADP1754_SM-ADP1754ACPZ-1.3,E022696,QFN16_4X4_PAD2_1X2_1; tolerance: N/A
U2 = ICMT41K256M16: User Part Number: UPN; Tolerance: N/A; alternate symbols: (); part number: ICMT41K256M16_SM-MT41K256M16TW-107 IT:P,E025601,FBGA96_C; tolerance: N/A
U3 = ADP2164: Tolerance: N/A; User Part Number: UPN; alternate symbols: (); part number: ADP2164_SM-ADP2164ACPZ,E013699,QFN16_4X4_PAD2_5X2_5; tolerance: N/A
U4 = ICXC7Z010: Tolerance: N/A; User Part Number: UPN; alternate symbols: (); part number: ICXC7Z010_SM-XC7Z010-1CLG225C4334,E025809,CSPBGA225; tolerance: N/A
U5 = AD9363: Tolerance: N/A; User Part Number: UPN; part number: AD9363_SM-AD9363ABCZ,E026056,BGA144-2; tolerance: N/A
U6 = ADP2114: User Part Number: UPN; Tolerance: N/A; alternate symbols: (); part number: ADP2114_SM-ADP2114ACPZ,E008105,QFN32_5X5_PAD3_1X3_1; tolerance: N/A
U8 = LINLTC4415: User Part Number: UPN; Tolerance: N/A; alternate symbols: (); part number: LINLTC4415_SM-LTC4415EDHC#PBF,E027541,DFN16_5X3_PAD4_4X1_65; tolerance: N/A
U9 = ICFT230XQ: Tolerance: N/A; User Part Number: UPN; alternate symbols: (); part number: ICFT230XQ_SM-FT230XQ-R,E021729,QFN16_4X4_PAD2_1X2_1; tolerance: N/A
U10 = 741G126: User Part Number: UPN; Tolerance: N/A; alternate symbols: (); part number: 741G126_SM-74LVC1G126GW,E017822,SOT353; tolerance: N/A
U11 = ADM7160_V2: User Part Number: UPN; Tolerance: N/A; alternate symbols: (); part number: ADM7160_V2_SM-ADM7160ACPZN3.3,E018695,DFN6_2X2_PAD1_6X1; tolerance: N/A
U12 = ADM7160_V2: User Part Number: UPN; Tolerance: N/A; alternate symbols: (); part number: ADM7160_V2_SM-ADM7160ACPZN1.8,E018693,DFN6_2X2_PAD1_6X1; tolerance: N/A
U13 = ICMT25Q: User Part Number: UPN; Tolerance: N/A; alternate symbols: (); part number: ICMT25Q_SM-MT25QU256ABA8E12-1SIT,E027529,TBGA24; tolerance: N/A
U14 = ICTPS51206: Tolerance: N/A; User Part Number: UPN; alternate symbols: (); part number: ICTPS51206_SM-TPS51206DSQR,E021346,SON10_2X2_PAD1_5X0_9; tolerance: N/A
U15 = ICUSB3320C: Tolerance: N/A; User Part Number: UPN; alternate symbols: (); part number: ICUSB3320C_SM-USB3320C-EZK,E021334,QFN32_5X5_PAD3_3X3_3; tolerance: N/A
U16 = ADP198: Tolerance: N/A; User Part Number: UPN; alternate symbols: (); part number: ADP198_SM-ADP198ACBZ-11,E024730,WLCSP4-2; tolerance: N/A
U17 = ICLTC6957_V3: User Part Number: UPN; Tolerance: N/A; alternate symbols: (); part number: ICLTC6957_V3_SM-LTC6957HMS-3#PBF,E030596,MSOP12; tolerance: N/A
Y1 = XTALOSC4P_V7: Tolerance: N/A; User Part Number: UPN; alternate symbols: (); part number: XTALOSC4P_V7_SM-24MEGHZ,E022374,YSML98W79H35; tolerance: N/A
Y2 = XTALOSC4P_V7: Tolerance: N/A; User Part Number: UPN; part number: XTALOSC4P_V7_SM-33.333MEGHZ,E024048,YSML98W79H35; tolerance: N/A
Y3 = XTALOSC4P_V21: Tolerance: N/A; User Part Number: UPN; part number: XTALOSC4P_V21_SM-40MEGHZ,E020493,YSML126W98H47; tolerance: N/A

## Footprints (pads in the part's own frame, mm; a bottom-side part is the same pattern mirrored in y, then rotated)
BGA144-2
  round 0.356 smd: A1(-4.4,-4.4) A2(-4.4,-3.6) A3(-4.4,-2.8) A4(-4.4,-2) A5(-4.4,-1.2) A6(-4.4,-0.4) A7(-4.4,0.4) A8(-4.4,1.2) A9(-4.4,2) A10(-4.4,2.8) A11(-4.4,3.6) A12(-4.4,4.4) B1(-3.6,-4.4) B2(-3.6,-3.6) B3(-3.6,-2.8) B4(-3.6,-2) B5(-3.6,-1.2) B6(-3.6,-0.4) B7(-3.6,0.4) B8(-3.6,1.2) B9(-3.6,2) B10(-3.6,2.8) B11(-3.6,3.6) B12(-3.6,4.4) C1(-2.8,-4.4) C2(-2.8,-3.6) C3(-2.8,-2.8) C4(-2.8,-2) C5(-2.8,-1.2) C6(-2.8,-0.4) C7(-2.8,0.4) C8(-2.8,1.2) C9(-2.8,2) C10(-2.8,2.8) C11(-2.8,3.6) C12(-2.8,4.4) D1(-2,-4.4) D2(-2,-3.6) D3(-2,-2.8) D4(-2,-2) D5(-2,-1.2) D6(-2,-0.4) D7(-2,0.4) D8(-2,1.2) D9(-2,2) D10(-2,2.8) D11(-2,3.6) D12(-2,4.4) E1(-1.2,-4.4) E2(-1.2,-3.6) E3(-1.2,-2.8) E4(-1.2,-2) E5(-1.2,-1.2) E6(-1.2,-0.4) E7(-1.2,0.4) E8(-1.2,1.2) E9(-1.2,2) E10(-1.2,2.8) E11(-1.2,3.6) E12(-1.2,4.4) F1(-0.4,-4.4) F2(-0.4,-3.6) F3(-0.4,-2.8) F4(-0.4,-2) F5(-0.4,-1.2) F6(-0.4,-0.4) F7(-0.4,0.4) F8(-0.4,1.2) F9(-0.4,2) F10(-0.4,2.8) F11(-0.4,3.6) F12(-0.4,4.4) G1(0.4,-4.4) G2(0.4,-3.6) G3(0.4,-2.8) G4(0.4,-2) G5(0.4,-1.2) G6(0.4,-0.4) G7(0.4,0.4) G8(0.4,1.2) G9(0.4,2) G10(0.4,2.8) G11(0.4,3.6) G12(0.4,4.4) H1(1.2,-4.4) H2(1.2,-3.6) H3(1.2,-2.8) H4(1.2,-2) H5(1.2,-1.2) H6(1.2,-0.4) H7(1.2,0.4) H8(1.2,1.2) H9(1.2,2) H10(1.2,2.8) H11(1.2,3.6) H12(1.2,4.4) J1(2,-4.4) J2(2,-3.6) J3(2,-2.8) J4(2,-2) J5(2,-1.2) J6(2,-0.4) J7(2,0.4) J8(2,1.2) J9(2,2) J10(2,2.8) J11(2,3.6) J12(2,4.4) K1(2.8,-4.4) K2(2.8,-3.6) K3(2.8,-2.8) K4(2.8,-2) K5(2.8,-1.2) K6(2.8,-0.4) K7(2.8,0.4) K8(2.8,1.2) K9(2.8,2) K10(2.8,2.8) K11(2.8,3.6) K12(2.8,4.4) L1(3.6,-4.4) L2(3.6,-3.6) L3(3.6,-2.8) L4(3.6,-2) L5(3.6,-1.2) L6(3.6,-0.4) L7(3.6,0.4) L8(3.6,1.2) L9(3.6,2) L10(3.6,2.8) L11(3.6,3.6) L12(3.6,4.4) M1(4.4,-4.4) M2(4.4,-3.6) M3(4.4,-2.8) M4(4.4,-2) M5(4.4,-1.2) M6(4.4,-0.4) M7(4.4,0.4) M8(4.4,1.2) M9(4.4,2) M10(4.4,2.8) M11(4.4,3.6) M12(4.4,4.4)
C0201
  rect 0.305x0.406 smd: 1(-0.318,0) 2(0.318,0)
C0201#2
  rect 0.61x0.61 smd: 1(-0.495,0) 2(0.495,0)
C0402
  rect 0.61x0.61 smd: 1(-0.495,0) 2(0.495,0)
C0402#2
  rect 0.584x0.66 smd: 1(-0.5,0) 2(0.5,0)
C0402H22
  rect 0.559x0.508 smd: 1(-0.479,0) 2(0.479,0)
C0402H22#2
  rect 0.61x0.61 smd: 1(-0.495,0) 2(0.495,0)
C0603
  rect 0.762x0.889 smd: 1(-0.699,0) 2(0.699,0)
C0603#2
  rect 1.092x1.194 smd: 1(-0.851,0) 2(0.851,0)
C0805
  rect 1.143x1.448 smd: 1(-0.9,0) 2(0.9,0)
C0805H53
  rect 1.295x1.6 smd: 1(-0.953,0) 2(0.953,0)
C0805H60
  rect 1.295x1.6 smd: 1(-0.953,0) 2(0.953,0)
C1206H71
  rect 1.6x2.007 smd: 1(-1.397,0) 2(1.397,0)
CNHDR1X1H344
  round 1.651 hole 1.143: 1(0,0)
CNHDR2X5H219
  rect 1.067x1.067 hole 0.711: 1(0,0)
  round 1.067 hole 0.711: 2(0,1.27) 3(1.27,0) 4(1.27,1.27) 5(2.54,0) 6(2.54,1.27) 7(3.81,0) 8(3.81,1.27) 9(5.08,0) 10(5.08,1.27)
CNHIROSE-U_FL-R-SMT-1
  rect 0.991x1.041 smd: 1(0,-1.521)
  rect 1.041x2.21 smd: 2(-1.471,0) 3(1.471,0)
CNMOLEX47590-0001
  oval 1.118x0.914 hole 0.864x0.66: (4.45,2.225) (4.45,-2.225)
  rect 1.346x0.406 smd: 1(4.123,-1.3) 2(4.123,-0.65) 3(4.123,0) 4(4.123,0.65) 5(4.123,1.3)
  custom 1.905x1.397 hole 1.295x0.61: SH1(1.45,4.175) SH3(1.45,-4.175)
  rect 1.905x2.896 smd: SH2(1.45,0)
CNSMARAL687W375H171
  rect 5.08x0.483 smd: 1(-0.254,0)
  rect 5.08x2.413 smd: 2(-0.254,4.381) 3(-0.254,4.381) 4(-0.254,-4.381) 5(-0.254,-4.381)
CSPBGA225
  round 0.305 smd: A1(-5.6,-5.6) A2(-5.6,-4.8) A3(-5.6,-4) A4(-5.6,-3.2) A5(-5.6,-2.4) A6(-5.6,-1.6) A7(-5.6,-0.8) A8(-5.6,0) A9(-5.6,0.8) A10(-5.6,1.6) A11(-5.6,2.4) A12(-5.6,3.2) A13(-5.6,4) A14(-5.6,4.8) A15(-5.6,5.6) B1(-4.8,-5.6) B2(-4.8,-4.8) B3(-4.8,-4) B4(-4.8,-3.2) B5(-4.8,-2.4) B6(-4.8,-1.6) B7(-4.8,-0.8) B8(-4.8,0) B9(-4.8,0.8) B10(-4.8,1.6) B11(-4.8,2.4) B12(-4.8,3.2) B13(-4.8,4) B14(-4.8,4.8) B15(-4.8,5.6) C1(-4,-5.6) C2(-4,-4.8) C3(-4,-4) C4(-4,-3.2) C5(-4,-2.4) C6(-4,-1.6) C7(-4,-0.8) C8(-4,0) C9(-4,0.8) C10(-4,1.6) C11(-4,2.4) C12(-4,3.2) C13(-4,4) C14(-4,4.8) C15(-4,5.6) D1(-3.2,-5.6) D2(-3.2,-4.8) D3(-3.2,-4) D4(-3.2,-3.2) D5(-3.2,-2.4) D6(-3.2,-1.6) D7(-3.2,-0.8) D8(-3.2,0) D9(-3.2,0.8) D10(-3.2,1.6) D11(-3.2,2.4) D12(-3.2,3.2) D13(-3.2,4) D14(-3.2,4.8) D15(-3.2,5.6) E1(-2.4,-5.6) E2(-2.4,-4.8) E3(-2.4,-4) E4(-2.4,-3.2) E5(-2.4,-2.4) E6(-2.4,-1.6) E7(-2.4,-0.8) E8(-2.4,0) E9(-2.4,0.8) E10(-2.4,1.6) E11(-2.4,2.4) E12(-2.4,3.2) E13(-2.4,4) E14(-2.4,4.8) E15(-2.4,5.6) F1(-1.6,-5.6) F2(-1.6,-4.8) F3(-1.6,-4) F4(-1.6,-3.2) F5(-1.6,-2.4) F6(-1.6,-1.6) F7(-1.6,-0.8) F8(-1.6,0) F9(-1.6,0.8) F10(-1.6,1.6) F11(-1.6,2.4) F12(-1.6,3.2) F13(-1.6,4) F14(-1.6,4.8) F15(-1.6,5.6) G1(-0.8,-5.6) G2(-0.8,-4.8) G3(-0.8,-4) G4(-0.8,-3.2) G5(-0.8,-2.4) G6(-0.8,-1.6) G7(-0.8,-0.8) G8(-0.8,0) G9(-0.8,0.8) G10(-0.8,1.6) G11(-0.8,2.4) G12(-0.8,3.2) G13(-0.8,4) G14(-0.8,4.8) G15(-0.8,5.6) H1(0,-5.6) H2(0,-4.8) H3(0,-4) H4(0,-3.2) H5(0,-2.4) H6(0,-1.6) H7(0,-0.8) H8(0,0) H9(0,0.8) H10(0,1.6) H11(0,2.4) H12(0,3.2) H13(0,4) H14(0,4.8) H15(0,5.6) J1(0.8,-5.6) J2(0.8,-4.8) J3(0.8,-4) J4(0.8,-3.2) J5(0.8,-2.4) J6(0.8,-1.6) J7(0.8,-0.8) J8(0.8,0) J9(0.8,0.8) J10(0.8,1.6) J11(0.8,2.4) J12(0.8,3.2) J13(0.8,4) J14(0.8,4.8) J15(0.8,5.6) K1(1.6,-5.6) K2(1.6,-4.8) K3(1.6,-4) K4(1.6,-3.2) K5(1.6,-2.4) K6(1.6,-1.6) K7(1.6,-0.8) K8(1.6,0) K9(1.6,0.8) K10(1.6,1.6) K11(1.6,2.4) K12(1.6,3.2) K13(1.6,4) K14(1.6,4.8) K15(1.6,5.6) L1(2.4,-5.6) L2(2.4,-4.8) L3(2.4,-4) L4(2.4,-3.2) L5(2.4,-2.4) L6(2.4,-1.6) L7(2.4,-0.8) L8(2.4,0) L9(2.4,0.8) L10(2.4,1.6) L11(2.4,2.4) L12(2.4,3.2) L13(2.4,4) L14(2.4,4.8) L15(2.4,5.6) M1(3.2,-5.6) M2(3.2,-4.8) M3(3.2,-4) M4(3.2,-3.2) M5(3.2,-2.4) M6(3.2,-1.6) M7(3.2,-0.8) M8(3.2,0) M9(3.2,0.8) M10(3.2,1.6) M11(3.2,2.4) M12(3.2,3.2) M13(3.2,4) M14(3.2,4.8) M15(3.2,5.6) N1(4,-5.6) N2(4,-4.8) N3(4,-4) N4(4,-3.2) N5(4,-2.4) N6(4,-1.6) N7(4,-0.8) N8(4,0) N9(4,0.8) N10(4,1.6) N11(4,2.4) N12(4,3.2) N13(4,4) N14(4,4.8) N15(4,5.6) P1(4.8,-5.6) P2(4.8,-4.8) P3(4.8,-4) P4(4.8,-3.2) P5(4.8,-2.4) P6(4.8,-1.6) P7(4.8,-0.8) P8(4.8,0) P9(4.8,0.8) P10(4.8,1.6) P11(4.8,2.4) P12(4.8,3.2) P13(4.8,4) P14(4.8,4.8) P15(4.8,5.6) R1(5.6,-5.6) R2(5.6,-4.8) R3(5.6,-4) R4(5.6,-3.2) R5(5.6,-2.4) R6(5.6,-1.6) R7(5.6,-0.8) R8(5.6,0) R9(5.6,0.8) R10(5.6,1.6) R11(5.6,2.4) R12(5.6,3.2) R13(5.6,4) R14(5.6,4.8) R15(5.6,5.6)
DFN2_0_62X0_32
  rect 0.305x0.305 smd: 1(-0.218,0) 2(0.218,0)
DFN6_2X2_PAD1_6X1
  oval 0.305x0.864 smd: 1(-0.65,-1.082) 2(0,-1.082) 3(0.65,-1.082) 4(0.65,1.082) 5(0,1.082) 6(-0.65,1.082)
  rect 1.6x0.991 smd: PAD(0,0)
DFN16_5X3_PAD4_4X1_65
  custom 0.805x0.66 smd: 1(-1.75,-1.43) 7(1.25,-1.43) 9(1.75,1.43) 15(-1.25,1.43)
  round 0.127 smd: 2(-1.25,-1.43) 8(1.75,-1.43) 10(1.25,1.43) 16(-1.75,1.43)
  rect 0.305x0.66 smd: 3(-0.75,-1.43) 4(-0.25,-1.43) 5(0.25,-1.43) 6(0.75,-1.43) 11(0.75,1.43) 12(0.25,1.43) 13(-0.25,1.43) 14(-0.75,1.43)
  rect 4.394x1.651 smd: PAD(0,0)
F0402H20
  rect 0.559x0.711 smd: 1(-0.49,0) 2(0.49,0)
FBGA96_C
  round 0.381 smd: A1(-6,-3.2) A2(-6,-2.4) A3(-6,-1.6) A7(-6,1.6) A8(-6,2.4) A9(-6,3.2) B1(-5.2,-3.2) B2(-5.2,-2.4) B3(-5.2,-1.6) B7(-5.2,1.6) B8(-5.2,2.4) B9(-5.2,3.2) C1(-4.4,-3.2) C2(-4.4,-2.4) C3(-4.4,-1.6) C7(-4.4,1.6) C8(-4.4,2.4) C9(-4.4,3.2) D1(-3.6,-3.2) D2(-3.6,-2.4) D3(-3.6,-1.6) D7(-3.6,1.6) D8(-3.6,2.4) D9(-3.6,3.2) E1(-2.8,-3.2) E2(-2.8,-2.4) E3(-2.8,-1.6) E7(-2.8,1.6) E8(-2.8,2.4) E9(-2.8,3.2) F1(-2,-3.2) F2(-2,-2.4) F3(-2,-1.6) F7(-2,1.6) F8(-2,2.4) F9(-2,3.2) G1(-1.2,-3.2) G2(-1.2,-2.4) G3(-1.2,-1.6) G7(-1.2,1.6) G8(-1.2,2.4) G9(-1.2,3.2) H1(-0.4,-3.2) H2(-0.4,-2.4) H3(-0.4,-1.6) H7(-0.4,1.6) H8(-0.4,2.4) H9(-0.4,3.2) J1(0.4,-3.2) J2(0.4,-2.4) J3(0.4,-1.6) J7(0.4,1.6) J8(0.4,2.4) J9(0.4,3.2) K1(1.2,-3.2) K2(1.2,-2.4) K3(1.2,-1.6) K7(1.2,1.6) K8(1.2,2.4) K9(1.2,3.2) L1(2,-3.2) L2(2,-2.4) L3(2,-1.6) L7(2,1.6) L8(2,2.4) L9(2,3.2) M1(2.8,-3.2) M2(2.8,-2.4) M3(2.8,-1.6) M7(2.8,1.6) M8(2.8,2.4) M9(2.8,3.2) N1(3.6,-3.2) N2(3.6,-2.4) N3(3.6,-1.6) N7(3.6,1.6) N8(3.6,2.4) N9(3.6,3.2) P1(4.4,-3.2) P2(4.4,-2.4) P3(4.4,-1.6) P7(4.4,1.6) P8(4.4,2.4) P9(4.4,3.2) R1(5.2,-3.2) R2(5.2,-2.4) R3(5.2,-1.6) R7(5.2,1.6) R8(5.2,2.4) R9(5.2,3.2) T1(6,-3.2) T2(6,-2.4) T3(6,-1.6) T7(6,1.6) T8(6,2.4) T9(6,3.2)
